# Altium PCB SkayboardAgain.PcbDoc (part 2 of 4)
Units mil, origin at the board's own origin, x right, y up, seen from the top; angles counter-clockwise.
Board outline 13972.57 x 4222.54 mil, 2 copper layers (Top Layer, Bottom Layer); 416 components, 229 nets, 1126 pads, 222 vias.
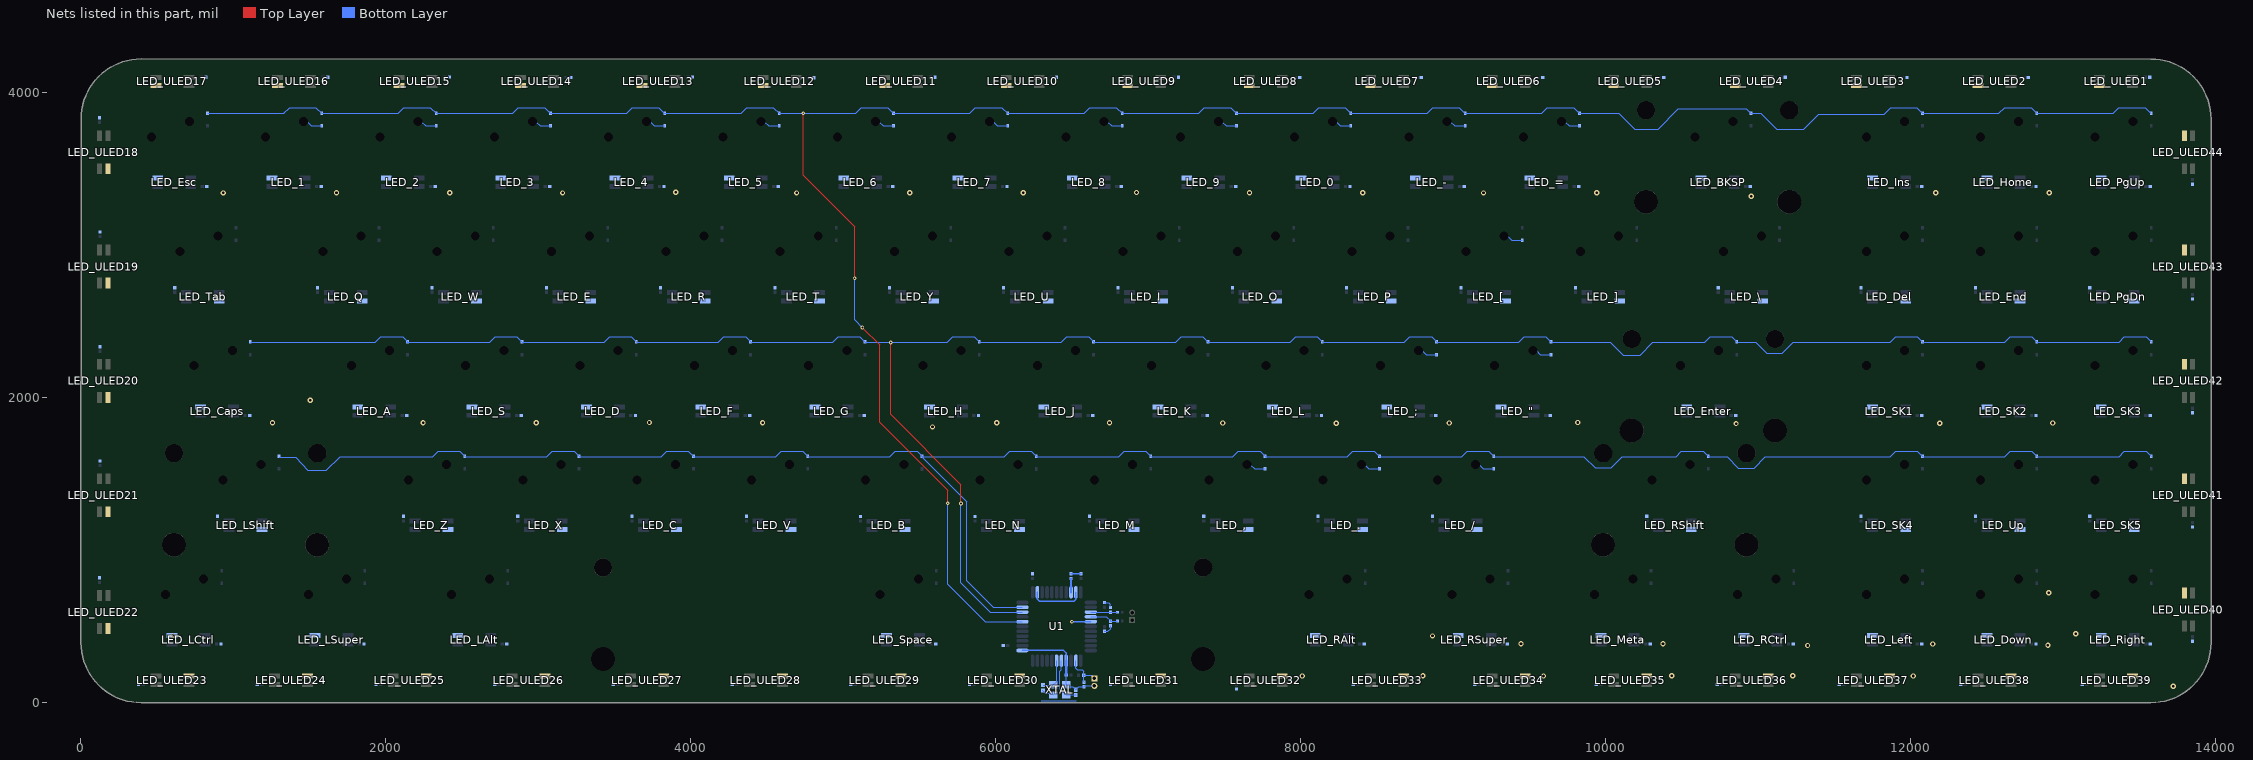
[diagram p2: the nets of this part, all layers, seen from the top]

## Components (designator, comment, footprint, x,y, rotation, side; value= is the part's Value field where it differs from the comment) (continued)
D_K "1N4148WS" DIOD-SOD323-2-A_V 7392.46,2324.95 r90 bottom (schematic designator D)
D_L "1N4148WS" DIOD-SOD323-2-A_V 8142.46,2324.95 r90 bottom (schematic designator D)
D_LAlt "1N4148WS" DIOD-SOD323-2-A_V 2798.7,824.95 r90 bottom (schematic designator D)
D_LCtrl "1N4148WS" DIOD-SOD323-2-A_V 923.69,824.95 r90 bottom (schematic designator D)
D_Left "1N4148WS" DIOD-SOD323-2-A_V 12080.02,824.95 r90 bottom (schematic designator D)
D_LShift "1N4148WS" DIOD-SOD323-2-A_V 1298.69,1574.95 r90 bottom (schematic designator D)
D_LSuper "1N4148WS" DIOD-SOD323-2-A_V 1861.2,824.95 r90 bottom (schematic designator D)
D_M "1N4148WS" DIOD-SOD323-2-A_V 7017.46,1574.95 r90 bottom (schematic designator D)
D_Meta "1N4148WS" DIOD-SOD323-2-A_V 10298.72,824.95 r90 bottom (schematic designator D)
D_N "1N4148WS" DIOD-SOD323-2-A_V 6266.68,1574.59 r90 bottom (schematic designator D)
D_O "1N4148WS" DIOD-SOD323-2-A_V 7955.02,3074.95 r90 bottom (schematic designator D)
D_P "1N4148WS" DIOD-SOD323-2-A_V 8705.02,3074.95 r90 bottom (schematic designator D)
D_PgDn "1N4148WS" DIOD-SOD323-2-A_V 13580.02,3074.95 r90 bottom (schematic designator D)
D_PgUp "1N4148WS" DIOD-SOD323-2-A_V 13580.02,3825 r90 bottom (schematic designator D)
D_Q "1N4148WS" DIOD-SOD323-2-A_V 1955,3074.95 r90 bottom (schematic designator D)
D_R "1N4148WS" DIOD-SOD323-2-A_V 4205.02,3074.95 r90 bottom (schematic designator D)
D_RAlt "1N4148WS" DIOD-SOD323-2-A_V 8423.72,824.95 r90 bottom (schematic designator D)
D_RCtrl "1N4148WS" DIOD-SOD323-2-A_V 11236.2,824.95 r90 bottom (schematic designator D)
D_Right "1N4148WS" DIOD-SOD323-2-A_V 13580.02,824.95 r90 bottom (schematic designator D)
D_RShift "1N4148WS" DIOD-SOD323-2-A_V 10673.72,1574.95 r90 bottom (schematic designator D)
D_RSuper "1N4148WS" DIOD-SOD323-2-A_V 9361.2,824.95 r90 bottom (schematic designator D)
D_S "1N4148WS" DIOD-SOD323-2-A_V 2892.45,2324.95 r90 bottom (schematic designator D)
D_SK1 "1N4148WS" DIOD-SOD323-2-A_V 12080.02,2324.95 r90 bottom (schematic designator D)
D_SK2 "1N4148WS" DIOD-SOD323-2-A_V 12830.02,2324.95 r90 bottom (schematic designator D)
D_SK3 "1N4148WS" DIOD-SOD323-2-A_V 13580.02,2324.95 r90 bottom (schematic designator D)
D_SK4 "1N4148WS" DIOD-SOD323-2-A_V 12080.02,1574.95 r90 bottom (schematic designator D)
D_SK5 "1N4148WS" DIOD-SOD323-2-A_V 13580.02,1574.95 r90 bottom (schematic designator D)
D_Space "1N4148WS" DIOD-SOD323-2-A_V 5611.2,824.95 r90 bottom (schematic designator D)
D_T "1N4148WS" DIOD-SOD323-2-A_V 4955.02,3074.95 r90 bottom (schematic designator D)
D_Tab "1N4148WS" DIOD-SOD323-2-A_V 1017.45,3074.95 r90 bottom (schematic designator D)
D_U "1N4148WS" DIOD-SOD323-2-A_V 6455.02,3074.95 r90 bottom (schematic designator D)
D_Up "1N4148WS" DIOD-SOD323-2-A_V 12830.02,1574.95 r90 bottom (schematic designator D)
D_V "1N4148WS" DIOD-SOD323-2-A_V 4767.46,1574.95 r90 bottom (schematic designator D)
D_W "1N4148WS" DIOD-SOD323-2-A_V 2705,3074.95 r90 bottom (schematic designator D)
D_X "1N4148WS" DIOD-SOD323-2-A_V 3267.45,1574.95 r90 bottom (schematic designator D)
D_Y "1N4148WS" DIOD-SOD323-2-A_V 5705.02,3074.95 r90 bottom (schematic designator D)
D_Z "1N4148WS" DIOD-SOD323-2-A_V 2517.45,1574.95 r90 bottom (schematic designator D)
Enter "2UStab" 2UStab 10642.48,2111.26 r0 top locked
LED_0 "SK6812ME" SK6812ME 8111.3,3413 r0 bottom (schematic designator LED)
LED_1 "SK6812ME" SK6812ME 1361.21,3413 r0 bottom (schematic designator LED)
LED_2 "SK6812ME" SK6812ME 2111.21,3413 r0 bottom (schematic designator LED)
LED_3 "SK6812ME" SK6812ME 2861.21,3413 r0 bottom (schematic designator LED)
LED_4 "SK6812ME" SK6812ME 3611.14,3413 r0 bottom (schematic designator LED)
LED_5 "SK6812ME" SK6812ME 4361.22,3413 r0 bottom (schematic designator LED)
LED_6 "SK6812ME" SK6812ME 5111.3,3413 r0 bottom (schematic designator LED)
LED_7 "SK6812ME" SK6812ME 5861.22,3413 r0 bottom (schematic designator LED)
LED_8 "SK6812ME" SK6812ME 6611.22,3413 r0 bottom (schematic designator LED)
LED_9 "SK6812ME" SK6812ME 7361.3,3413 r0 bottom (schematic designator LED)
"LED_\"" "SK6812ME" SK6812ME 9423.74,1912.95 r0 bottom (schematic designator LED)
LED_, "SK6812ME" SK6812ME 7548.74,1162.95 r180 bottom (schematic designator LED)
LED_- "SK6812ME" SK6812ME 8861.3,3413 r0 bottom (schematic designator LED)
LED_. "SK6812ME" SK6812ME 8298.74,1162.95 r180 bottom (schematic designator LED)
LED_/ "SK6812ME" SK6812ME 9048.74,1162.95 r180 bottom (schematic designator LED)
LED_; "SK6812ME" SK6812ME 8673.74,1912.95 r0 bottom (schematic designator LED)
LED_= "SK6812ME" SK6812ME 9611.3,3413 r0 bottom (schematic designator LED)
LED_[ "SK6812ME" SK6812ME 9236.3,2662.95 r180 bottom (schematic designator LED)
LED_\ "SK6812ME" SK6812ME 10923.74,2662.95 r180 bottom (schematic designator LED)
LED_] "SK6812ME" SK6812ME 9986.3,2662.95 r180 bottom (schematic designator LED)
LED_A "SK6812ME" SK6812ME 1923.73,1912.95 r0 bottom (schematic designator LED)
LED_B "SK6812ME" SK6812ME 5297.79,1162.59 r180 bottom (schematic designator LED)
LED_BKSP "SK6812ME" SK6812ME 10736.3,3413 r0 bottom (schematic designator LED)
LED_C "SK6812ME" SK6812ME 3798.74,1162.95 r180 bottom (schematic designator LED)
LED_Caps "SK6812ME" SK6812ME 892.48,1912.95 r0 bottom (schematic designator LED)
LED_D "SK6812ME" SK6812ME 3423.73,1912.95 r0 bottom (schematic designator LED)
LED_Del "SK6812ME" SK6812ME 11861.3,2662.95 r180 bottom (schematic designator LED)
LED_Down "SK6812ME" SK6812ME 12611.3,412.95 r0 bottom (schematic designator LED)
LED_E "SK6812ME" SK6812ME 3236.29,2662.95 r180 bottom (schematic designator LED)
LED_End "SK6812ME" SK6812ME 12611.3,2662.95 r180 bottom (schematic designator LED)
LED_Enter "SK6812ME" SK6812ME 10642.48,1912.95 r0 bottom (schematic designator LED)
LED_Esc "SK6812ME" SK6812ME 611.29,3413 r0 bottom (schematic designator LED)
LED_F "SK6812ME" SK6812ME 4173.74,1912.95 r0 bottom (schematic designator LED)
LED_G "SK6812ME" SK6812ME 4923.74,1912.95 r0 bottom (schematic designator LED)
LED_H "SK6812ME" SK6812ME 5673.74,1912.95 r0 bottom (schematic designator LED)
LED_Home "SK6812ME" SK6812ME 12611.3,3413 r0 bottom (schematic designator LED)
LED_I "SK6812ME" SK6812ME 6986.3,2662.95 r180 bottom (schematic designator LED)
LED_Ins "SK6812ME" SK6812ME 11861.3,3413 r0 bottom (schematic designator LED)
LED_J "SK6812ME" SK6812ME 6423.74,1912.95 r0 bottom (schematic designator LED)
LED_K "SK6812ME" SK6812ME 7173.74,1912.95 r0 bottom (schematic designator LED)
LED_L "SK6812ME" SK6812ME 7923.74,1912.95 r0 bottom (schematic designator LED)
LED_LAlt "SK6812ME" SK6812ME 2579.99,412.95 r0 bottom (schematic designator LED)
LED_LCtrl "SK6812ME" SK6812ME 704.98,412.95 r0 bottom (schematic designator LED)
LED_Left "SK6812ME" SK6812ME 11861.3,412.95 r0 bottom (schematic designator LED)
LED_LShift "SK6812ME" SK6812ME 1079.98,1162.95 r180 bottom (schematic designator LED)
LED_LSuper "SK6812ME" SK6812ME 1642.49,412.95 r0 bottom (schematic designator LED)
LED_M "SK6812ME" SK6812ME 6798.74,1162.95 r180 bottom (schematic designator LED)
LED_Meta "SK6812ME" SK6812ME 10080,412.95 r0 bottom (schematic designator LED)
LED_N "SK6812ME" SK6812ME 6047.96,1162.59 r180 bottom (schematic designator LED)
LED_O "SK6812ME" SK6812ME 7736.3,2662.95 r180 bottom (schematic designator LED)
LED_P "SK6812ME" SK6812ME 8486.3,2662.95 r180 bottom (schematic designator LED)
LED_PgDn "SK6812ME" SK6812ME 13361.3,2662.95 r180 bottom (schematic designator LED)
LED_PgUp "SK6812ME" SK6812ME 13361.3,3413 r0 bottom (schematic designator LED)
LED_Q "SK6812ME" SK6812ME 1736.29,2662.95 r180 bottom (schematic designator LED)
LED_R "SK6812ME" SK6812ME 3986.3,2662.95 r180 bottom (schematic designator LED)
LED_RAlt "SK6812ME" SK6812ME 8205,412.95 r0 bottom (schematic designator LED)
LED_RCtrl "SK6812ME" SK6812ME 11017.48,412.95 r0 bottom (schematic designator LED)
LED_Right "SK6812ME" SK6812ME 13361.3,412.95 r0 bottom (schematic designator LED)
LED_RShift "SK6812ME" SK6812ME 10455,1162.95 r180 bottom (schematic designator LED)
LED_RSuper "SK6812ME" SK6812ME 9142.48,412.95 r0 bottom (schematic designator LED)
LED_S "SK6812ME" SK6812ME 2673.73,1912.95 r0 bottom (schematic designator LED)
LED_SK1 "SK6812ME" SK6812ME 11861.3,1912.95 r0 bottom (schematic designator LED)
LED_SK2 "SK6812ME" SK6812ME 12611.3,1912.95 r0 bottom (schematic designator LED)
LED_SK3 "SK6812ME" SK6812ME 13361.3,1912.95 r0 bottom (schematic designator LED)
LED_SK4 "SK6812ME" SK6812ME 11861.3,1162.95 r180 bottom (schematic designator LED)
LED_SK5 "SK6812ME" SK6812ME 13361.3,1162.95 r180 bottom (schematic designator LED)
LED_Space "SK6812ME" SK6812ME 5392.48,412.95 r0 bottom (schematic designator LED)
LED_T "SK6812ME" SK6812ME 4736.3,2662.95 r180 bottom (schematic designator LED)
LED_Tab "SK6812ME" SK6812ME 798.73,2662.95 r180 bottom (schematic designator LED)
LED_U "SK6812ME" SK6812ME 6236.3,2662.95 r180 bottom (schematic designator LED)
LED_ULED1 "SK6812ME" SK6812ME 13350,4075 r0 top locked (schematic designator LED)
LED_ULED2 "SK6812ME" SK6812ME 12553.12,4075 r0 top locked (schematic designator LED)
LED_ULED3 "SK6812ME" SK6812ME 11756.25,4075 r0 top locked (schematic designator LED)
LED_ULED4 "SK6812ME" SK6812ME 10959.38,4075 r0 top locked (schematic designator LED)
LED_ULED5 "SK6812ME" SK6812ME 10162.5,4075 r0 top locked (schematic designator LED)
LED_ULED6 "SK6812ME" SK6812ME 9365.62,4075 r0 top locked (schematic designator LED)
LED_ULED7 "SK6812ME" SK6812ME 8568.75,4075 r0 top locked (schematic designator LED)
LED_ULED8 "SK6812ME" SK6812ME 7771.88,4075 r0 top locked (schematic designator LED)
LED_ULED9 "SK6812ME" SK6812ME 6975,4075 r0 top locked (schematic designator LED)
LED_ULED10 "SK6812ME" SK6812ME 6178.12,4075 r0 top locked (schematic designator LED)
LED_ULED11 "SK6812ME" SK6812ME 5381.25,4075 r0 top locked (schematic designator LED)
LED_ULED12 "SK6812ME" SK6812ME 4584.38,4075 r0 top locked (schematic designator LED)
LED_ULED13 "SK6812ME" SK6812ME 3787.5,4075 r0 top locked (schematic designator LED)
LED_ULED14 "SK6812ME" SK6812ME 2990.62,4075 r0 top locked (schematic designator LED)
LED_ULED15 "SK6812ME" SK6812ME 2193.75,4075 r0 top locked (schematic designator LED)
LED_ULED16 "SK6812ME" SK6812ME 1396.88,4075 r0 top locked (schematic designator LED)
LED_ULED17 "SK6812ME" SK6812ME 600,4075 r0 top locked (schematic designator LED)
LED_ULED18 "SK6812ME" SK6812ME 150,3611.32 r90 top locked (schematic designator LED)
LED_ULED19 "SK6812ME" SK6812ME 150,2861.26 r90 top locked (schematic designator LED)
LED_ULED20 "SK6812ME" SK6812ME 150,2111.26 r90 top locked (schematic designator LED)
LED_ULED21 "SK6812ME" SK6812ME 150,1361.26 r90 top locked (schematic designator LED)
LED_ULED22 "SK6812ME" SK6812ME 150,594 r90 top locked (schematic designator LED)
LED_ULED23 "SK6812ME" SK6812ME 600,147 r180 top locked (schematic designator LED)
LED_ULED24 "SK6812ME" SK6812ME 1378.57,147 r180 top locked (schematic designator LED)
LED_ULED25 "SK6812ME" SK6812ME 2157.14,147 r180 top locked (schematic designator LED)
LED_ULED26 "SK6812ME" SK6812ME 2935.71,147 r180 top locked (schematic designator LED)
LED_ULED27 "SK6812ME" SK6812ME 3714.29,147 r180 top locked (schematic designator LED)
LED_ULED28 "SK6812ME" SK6812ME 4492.86,147 r180 top locked (schematic designator LED)
LED_ULED29 "SK6812ME" SK6812ME 5271.43,147 r180 top locked (schematic designator LED)
LED_ULED30 "SK6812ME" SK6812ME 6050,147 r180 top locked (schematic designator LED)
LED_ULED31 "SK6812ME" SK6812ME 6975,147 r180 top locked (schematic designator LED)
LED_ULED32 "SK6812ME" SK6812ME 7771.88,147 r180 top locked (schematic designator LED)
LED_ULED33 "SK6812ME" SK6812ME 8568.75,147 r180 top locked (schematic designator LED)
LED_ULED34 "SK6812ME" SK6812ME 9365.62,147 r180 top locked (schematic designator LED)
LED_ULED35 "SK6812ME" SK6812ME 10162.5,147 r180 top locked (schematic designator LED)
LED_ULED36 "SK6812ME" SK6812ME 10959.38,147 r180 top locked (schematic designator LED)
LED_ULED37 "SK6812ME" SK6812ME 11756.25,147 r180 top locked (schematic designator LED)
LED_ULED38 "SK6812ME" SK6812ME 12553.12,147 r180 top locked (schematic designator LED)
LED_ULED39 "SK6812ME" SK6812ME 13350,147 r180 top locked (schematic designator LED)
LED_ULED40 "SK6812ME" SK6812ME 13825,611.26 r270 top locked (schematic designator LED)
LED_ULED41 "SK6812ME" SK6812ME 13825,1361.26 r270 top locked (schematic designator LED)
LED_ULED42 "SK6812ME" SK6812ME 13825,2111.26 r270 top locked (schematic designator LED)
LED_ULED43 "SK6812ME" SK6812ME 13825,2861.26 r270 top locked (schematic designator LED)
LED_ULED44 "SK6812ME" SK6812ME 13825,3611.32 r270 top locked (schematic designator LED)
LED_Up "SK6812ME" SK6812ME 12611.3,1162.95 r180 bottom (schematic designator LED)
LED_V "SK6812ME" SK6812ME 4548.74,1162.95 r180 bottom (schematic designator LED)
LED_W "SK6812ME" SK6812ME 2486.29,2662.95 r180 bottom (schematic designator LED)
LED_X "SK6812ME" SK6812ME 3048.73,1162.95 r180 bottom (schematic designator LED)
LED_Y "SK6812ME" SK6812ME 5486.3,2662.95 r180 bottom (schematic designator LED)
LED_Z "SK6812ME" SK6812ME 2298.73,1162.95 r180 bottom (schematic designator LED)
LShift "2UStab" 2UStab 1079.98,1361.26 r0 top locked
MX_0 "" MX 8111.3,3611.31 r0 top (schematic designator MX)
MX_1 "" MX 1361.21,3611.31 r0 top (schematic designator MX)
MX_2 "" MX 2111.21,3611.31 r0 top (schematic designator MX)
MX_3 "" MX 2861.21,3611.31 r0 top (schematic designator MX)
MX_4 "" MX 3611.14,3611.31 r0 top (schematic designator MX)
MX_5 "" MX 4361.22,3611.31 r0 top (schematic designator MX)
MX_6 "" MX 5111.3,3611.31 r0 top (schematic designator MX)
MX_7 "" MX 5861.22,3611.31 r0 top (schematic designator MX)
MX_8 "" MX 6611.22,3611.31 r0 top (schematic designator MX)
MX_9 "" MX 7361.3,3611.31 r0 top (schematic designator MX)
"MX_\"" "" MX 9423.74,2111.26 r0 top (schematic designator MX)
MX_, "" MX 7548.74,1361.26 r0 top (schematic designator MX)
MX_- "" MX 8861.3,3611.31 r0 top (schematic designator MX)
MX_. "" MX 8298.74,1361.26 r0 top (schematic designator MX)
MX_/ "" MX 9048.74,1361.26 r0 top (schematic designator MX)
MX_; "" MX 8673.74,2111.26 r0 top (schematic designator MX)
MX_= "" MX 9611.3,3611.31 r0 top (schematic designator MX)
MX_[ "" MX 9236.3,2861.26 r0 top (schematic designator MX)
MX_\ "" MX 10923.74,2861.26 r0 top (schematic designator MX)
MX_] "" MX 9986.3,2861.26 r0 top (schematic designator MX)
MX_A "" MX 1923.73,2111.26 r0 top (schematic designator MX)
MX_B "" MX 5297.79,1360.91 r0 top (schematic designator MX)
MX_BKSP "" MX 10736.3,3611.31 r0 top (schematic designator MX)
MX_C "" MX 3798.74,1361.26 r0 top (schematic designator MX)
MX_Caps "" MX 892.48,2111.26 r0 top (schematic designator MX)
MX_D "" MX 3423.73,2111.26 r0 top (schematic designator MX)
MX_Del "" MX 11861.3,2861.26 r0 top (schematic designator MX)
MX_Down "" MX 12611.3,611.26 r0 top (schematic designator MX)
MX_E "" MX 3236.29,2861.26 r0 top (schematic designator MX)
MX_End "" MX 12611.3,2861.26 r0 top (schematic designator MX)
MX_Enter "" MX 10642.48,2111.26 r0 top (schematic designator MX)
MX_Esc "" MX 611.29,3611.31 r0 top (schematic designator MX)
MX_F "" MX 4173.74,2111.26 r0 top (schematic designator MX)
MX_G "" MX 4923.74,2111.26 r0 top (schematic designator MX)
MX_H "" MX 5673.74,2111.26 r0 top (schematic designator MX)
MX_Home "" MX 12611.3,3611.31 r0 top (schematic designator MX)
MX_I "" MX 6986.3,2861.26 r0 top (schematic designator MX)
MX_Ins "" MX 11861.3,3611.31 r0 top (schematic designator MX)
MX_J "" MX 6423.74,2111.26 r0 top (schematic designator MX)
MX_K "" MX 7173.74,2111.26 r0 top (schematic designator MX)
MX_L "" MX 7923.74,2111.26 r0 top (schematic designator MX)
MX_LAlt "" MX 2579.99,611.26 r0 top (schematic designator MX)
MX_LCtrl "" MX 704.98,611.26 r0 top (schematic designator MX)
MX_Left "" MX 11861.3,611.26 r0 top (schematic designator MX)
MX_LShift "" MX 1079.98,1361.26 r0 top (schematic designator MX)
MX_LSuper "" MX 1642.49,611.26 r0 top (schematic designator MX)
MX_M "" MX 6798.74,1361.26 r0 top (schematic designator MX)
MX_Meta "" MX 10080,611.26 r0 top (schematic designator MX)
MX_N "" MX 6047.96,1360.91 r0 top (schematic designator MX)
MX_O "" MX 7736.3,2861.26 r0 top (schematic designator MX)
MX_P "" MX 8486.3,2861.26 r0 top (schematic designator MX)
MX_PgDn "" MX 13361.3,2861.26 r0 top (schematic designator MX)
MX_PgUp "" MX 13361.3,3611.31 r0 top (schematic designator MX)
MX_Q "" MX 1736.29,2861.26 r0 top (schematic designator MX)
MX_R "" MX 3986.3,2861.26 r0 top (schematic designator MX)
MX_RAlt "" MX 8205,611.26 r0 top (schematic designator MX)
MX_RCtrl "" MX 11017.48,611.26 r0 top (schematic designator MX)
MX_Right "" MX 13361.3,611.26 r0 top (schematic designator MX)
MX_RShift "" MX 10455,1361.26 r0 top (schematic designator MX)
MX_RSuper "" MX 9142.48,611.26 r0 top (schematic designator MX)
MX_S "" MX 2673.73,2111.26 r0 top (schematic designator MX)
MX_SK1 "" MX 11861.3,2111.26 r0 top (schematic designator MX)
MX_SK2 "" MX 12611.3,2111.26 r0 top (schematic designator MX)
MX_SK3 "" MX 13361.3,2111.26 r0 top (schematic designator MX)
MX_SK4 "" MX 11861.3,1361.26 r0 top (schematic designator MX)
MX_SK5 "" MX 13361.3,1361.26 r0 top (schematic designator MX)
MX_Space "" MX 5392.48,611.26 r0 top (schematic designator MX)
MX_T "" MX 4736.3,2861.26 r0 top (schematic designator MX)
MX_Tab "" MX 798.73,2861.26 r0 top (schematic designator MX)
MX_U "" MX 6236.3,2861.26 r0 top (schematic designator MX)
MX_Up "" MX 12611.3,1361.26 r0 top (schematic designator MX)
MX_V "" MX 4548.74,1361.26 r0 top (schematic designator MX)
MX_W "" MX 2486.29,2861.26 r0 top (schematic designator MX)
MX_X "" MX 3048.73,1361.26 r0 top (schematic designator MX)
MX_Y "" MX 5486.3,2861.26 r0 top (schematic designator MX)
MX_Z "" MX 2298.73,1361.26 r0 top (schematic designator MX)
R1 "22R" RESC1005X40X25LL05T05 6815,594 r0 bottom
R2 "22R" RESC1005X40X25LL05T05 6815,536 r0 bottom
R3 "10K" RESC1005X40X25NL05T05 6561,180 r0 bottom
RShift "2UStab" 2UStab 10455,1361.26 r0 top locked
RST1 "MHDR1X2" MHDR1X2 6648,160 r270 bottom
Space "6.25UStab" 6.25UStab 5392.48,611.26 r0 top locked
U1 "ATmega32U4-AU" 44ML_M 6400,500 r180 bottom locked
USB1 "MHDR1X2" MHDR1X2 6896,541 r90 bottom
XTAL "16MCR" XTAL16M 6420,84 r0 bottom

## Footprints (in the part's own frame and the unit in brackets; to place one, negate y for a bottom-side part, rotate by r counter-clockwise, add the part's x,y. Pads: shape width x height; smd on the part's side, far side on the other; paste and mask are expansions set on the pad)
2UStab [mil] "A 2U stabilizer"
  round 157 hole 157 unplated: ""(-470,-325) ""(470,-325)
  round 120 hole 120 unplated: ""(-470,275) ""(470,275)
6.25UStab [mil] "A 6.25U stabilizer"
  round 157 hole 157 unplated: ""(-1968.75,-325) ""(1968.75,-325)
  round 120 hole 120 unplated: ""(-1968.75,275) ""(1968.75,275)
44ML_M [mm] "Thin QFP, 44-Leads, Body 10x10mm, Pitch 0.8mm, IPC Low Density"
  oval 2.05x0.6 smd: 1(-5.7,4) 2(-5.7,3.2) 3(-5.7,2.4) 4(-5.7,1.6) 5(-5.7,0.8) 6(-5.7,0) 7(-5.7,-0.8) 8(-5.7,-1.6) 9(-5.7,-2.4) 10(-5.7,-3.2) 11(-5.7,-4) 23(5.7,-4) 24(5.7,-3.2) 25(5.7,-2.4) 26(5.7,-1.6) 27(5.7,-0.8) 28(5.7,0) 29(5.7,0.8) 30(5.7,1.6) 31(5.7,2.4) 32(5.7,3.2) 33(5.7,4)
  oval 0.6x2.05 smd: 12(-4,-5.7) 13(-3.2,-5.7) 14(-2.4,-5.7) 15(-1.6,-5.7) 16(-0.8,-5.7) 17(0,-5.7) 18(0.8,-5.7) 19(1.6,-5.7) 20(2.4,-5.7) 21(3.2,-5.7) 22(4,-5.7) 34(4,5.7) 35(3.2,5.7) 36(2.4,5.7) 37(1.6,5.7) 38(0.8,5.7) 39(0,5.7) 40(-0.8,5.7) 41(-1.6,5.7) 42(-2.4,5.7) 43(-3.2,5.7) 44(-4,5.7)
  silkscreen extent -5.82,-4.25 4.25,4.97, body extent -5,-5 5,5, height 1.2
CAPC1005X55X25LL05T10 [mm] "Chip Capacitor, 2-Leads, Body 1.00x0.50mm, IPC High Density"
  rect 0.56x0.52 smd: 1(-0.39,0) 2(0.39,0)
  body extent -0.53,-0.28 0.53,0.28, height 0.55
CAPC1005X55X30LL05T10 [mm] "Chip Capacitor, 2-Leads, Body 1.00x0.50mm, IPC High Density"
  rect 0.56x0.52 smd: 1(-0.38,0) 2(0.38,0)
  body extent -0.53,-0.28 0.53,0.28, height 0.55
CAPC1005X56X25NL10T15 [mm] "Chip Capacitor, 2-Leads, Body 1.00x0.50mm, IPC Medium Density"
  rect 0.68x0.64 smd: 1(-0.44,0) 2(0.44,0)
  body extent -0.55,-0.3 0.55,0.3, height 0.56
DIOD-SOD323-2-A_V [mm] "SOD-323, 2-Leads, Body 1.7x1.3mm"
  rect 0.59x0.45 smd: 1(-1.055,0) 2(1.055,0)
  silkscreen extent -0.85,-0.65 1.85,0.65, body extent -0.85,-0.65 0.85,0.65, height 1.2
MHDR1X2 [mm] "Connector; Header; 2 Position"
  rect 1x1 hole 0.6: 1(0,0)
  round 1 hole 0.6: 2(1.27,0)
  silkscreen extent -0.9,-0.9 2.17,0.9
MX [mil] "Cherry MX Footprint"
  round 0 / inner round 90 / far side round 90 hole 59: 1(-150,100) 2(100,200)
  Top Layer keep-out region: -307.09,-307.09 307.09,-307.09 307.09,307.09 -307.09,307.09
  Keep-Out Layer board cut-out: 0,78.5 30.04,72.52 55.51,55.51 72.52,30.04 78.5,0 78.5,0 72.52,-30.04 55.51,-55.51 30.04,-72.52 0,-78.5 0,-78.5 -30.04,-72.52 -55.51,-55.51 -72.52,-30.04 -78.5,0 -78.5,0 -72.52,30.04 -55.51,55.51 -30.04,72.52 0,78.5
  Keep-Out Layer board cut-out: -200,33.5 -187.18,30.95 -176.31,23.69 -169.05,12.82 -166.5,0 -166.5,0 -169.05,-12.82 -176.31,-23.69 -187.18,-30.95 -200,-33.5 -200,-33.5 -212.82,-30.95 -223.69,-23.69 -230.95,-12.82 -233.5,0 -233.5,0 -230.95,12.82 -223.69,23.69 -212.82,30.95 -200,33.5
  Keep-Out Layer board cut-out: 200,33.5 212.82,30.95 223.69,23.69 230.95,12.82 233.5,0 233.5,0 230.95,-12.82 223.69,-23.69 212.82,-30.95 200,-33.5 200,-33.5 187.18,-30.95 176.31,-23.69 169.05,-12.82 166.5,0 166.5,0 169.05,12.82 176.31,23.69 187.18,30.95 200,33.5
  silkscreen extent -307,-307 307,307
RESC1005X40X25LL05T05 [mm] "Chip Resistor, 2-Leads, Body 1.00x0.50mm, IPC High Density"
  rect 0.45x0.45 smd: 1(-0.4,0) 2(0.4,0)
  body extent -0.53,-0.27 0.53,0.28, height 0.4
RESC1005X40X25NL05T05 [mm] "Chip Resistor, 2-Leads, Body 1.00x0.50mm, IPC Medium Density"
  rect 0.55x0.55 smd: 1(-0.45,0) 2(0.45,0)
  body extent -0.53,-0.27 0.53,0.28, height 0.4
SK6812ME [mm] "SK6812 Mini-E footprint"
  rect 1.8x0.82 smd: 1(2.75,0.7) 2(2.75,-0.7) 3(-2.75,-0.7) 4(-2.75,0.7)
  Top Layer keep-out region: -1.75,1.45 1.75,1.45 1.75,-1.45 -1.75,-1.45
  silkscreen extent -4,-1.2 -4,-0.2, body extent -3.09,-1.4 3.1,1.4, height 0.13
XTAL16M [mm] "A 16Mhz crystal resonator footprint, JLCPCB #C13738"
  rect 1.4x1.2 smd: 1(-1.1,-0.85) 2(1.1,-0.85) 3(1.1,0.85) 4(-1.1,0.85)
  silkscreen extent -2.12,-1.78 -0.34,-0.22

## Part data
BKSP Enter LShift RShift: "An internally padded MX-style 2U stabilizer"
C2 C7 C8 C9 C10 C11 C12 C13 C_0 C_1 C_2 C_3 C_4 C_5 C_6 C_7 C_8 C_9 "C_\"" C_, C_- C_. C_/ C_; C_= C_[ C_\ C_] C_A C_B C_BKSP C_C C_Caps C_D C_Del C_Down C_E C_End C_Enter C_Esc C_F C_G C_H C_Home C_I C_Ins C_J C_K C_L C_LAlt C_LCtrl C_Left C_LShift C_LSuper C_M C_Meta C_N C_O C_P C_PgDn C_PgUp C_Q C_R C_RAlt C_RCtrl C_Right C_RShift C_RSuper C_S C_SK1 C_SK2 C_SK3 C_SK4 C_SK5 C_Space C_T C_Tab C_U C_ULED1 C_ULED2 C_ULED3 C_ULED4 C_ULED5 C_ULED6 C_ULED7 C_ULED8 C_ULED9 C_ULED10 C_ULED11 C_ULED12 C_ULED13 C_ULED14 C_ULED15 C_ULED16 C_ULED17 C_ULED18 C_ULED19 C_ULED20 C_ULED21 C_ULED22 C_ULED23 C_ULED24 C_ULED25 C_ULED26 C_ULED27 C_ULED28 C_ULED29 C_ULED30 C_ULED31 C_ULED32 C_ULED33 C_ULED34 C_ULED35 C_ULED36 C_ULED37 C_ULED38 C_ULED39 C_ULED40 C_ULED41 C_ULED42 C_ULED43 C_ULED44 C_Up C_V C_W C_X C_Y C_Z: library part CMP-0001-00074-2, Manufacturer=Kemet, Part Number=C0402C104K4RACTU
C3 C4: library part CMP-2008-04368-1, Manufacturer=Murata, Part Number=GRM1555C1H470JA01D
C5 C6: library part CMP-2008-02613-1, Manufacturer="AVX Interconnect / Elco", Part Number=04025A220JAT2A
D_0 D_1 D_2 D_3 D_4 D_5 D_6 D_7 D_8 D_9 "D_\"" D_, D_- D_. D_/ D_; D_= D_[ D_\ D_] D_A D_B D_BKSP D_C D_Caps D_D D_Del D_Down D_E D_End D_Enter D_Esc D_F D_G D_H D_Home D_I D_Ins D_J D_K D_L D_LAlt D_LCtrl D_Left D_LShift D_LSuper D_M D_Meta D_N D_O D_P D_PgDn D_PgUp D_Q D_R D_RAlt D_RCtrl D_Right D_RShift D_RSuper D_S D_SK1 D_SK2 D_SK3 D_SK4 D_SK5 D_Space D_T D_Tab D_U D_Up D_V D_W D_X D_Y D_Z: library part CMP-1667-00004-1, "Fast Switching Diode, 75 V, 0.3 A, -65 to 150 degC, 2-Pin SOD323, RoHS, Tape and Reel", ComponentLink1Description="Manufacturer URL", ComponentLink1URL=http://www.diodes.com/, ComponentLink2Description=Datasheet, ComponentLink2URL=http://www.diodes.com/datasheets/ds30097.pdf, DatasheetVersion="Rev. 25-2, 03/2016", PackageDescription="2-Pin Small Outline Diode, Body 1.7 x 1.3 mm", PackageReference=SOD323-2
LED_0 LED_1 LED_2 LED_3 LED_4 LED_5 LED_6 LED_7 LED_8 LED_9 "LED_\"" LED_, LED_- LED_. LED_/ LED_; LED_= LED_[ LED_\ LED_] LED_A LED_B LED_BKSP LED_C LED_Caps LED_D LED_Del LED_Down LED_E LED_End LED_Enter LED_Esc LED_F LED_G LED_H LED_Home LED_I LED_Ins LED_J LED_K LED_L LED_LAlt LED_LCtrl LED_Left LED_LShift LED_LSuper LED_M LED_Meta LED_N LED_O LED_P LED_PgDn LED_PgUp LED_Q LED_R LED_RAlt LED_RCtrl LED_Right LED_RShift LED_RSuper LED_S LED_SK1 LED_SK2 LED_SK3 LED_SK4 LED_SK5 LED_Space LED_T LED_Tab LED_U LED_ULED1 LED_ULED2 LED_ULED3 LED_ULED4 LED_ULED5 LED_ULED6 LED_ULED7 LED_ULED8 LED_ULED9 LED_ULED10 LED_ULED11 LED_ULED12 LED_ULED13 LED_ULED14 LED_ULED15 LED_ULED16 LED_ULED17 LED_ULED18 LED_ULED19 LED_ULED20 LED_ULED21 LED_ULED22 LED_ULED23 LED_ULED24 LED_ULED25 LED_ULED26 LED_ULED27 LED_ULED28 LED_ULED29 LED_ULED30 LED_ULED31 LED_ULED32 LED_ULED33 LED_ULED34 LED_ULED35 LED_ULED36 LED_ULED37 LED_ULED38 LED_ULED39 LED_ULED40 LED_ULED41 LED_ULED42 LED_ULED43 LED_ULED44 LED_Up LED_V LED_W LED_X LED_Y LED_Z: library part SK6812, "Individually Adressable SK6812 Mini-E 3528 LED"
MX_0 MX_1 MX_2 MX_3 MX_4 MX_5 MX_6 MX_7 MX_8 MX_9 "MX_\"" MX_, MX_- MX_. MX_/ MX_; MX_= MX_[ MX_\ MX_] MX_A MX_B MX_BKSP MX_C MX_Caps MX_D MX_Del MX_Down MX_E MX_End MX_Enter MX_Esc MX_F MX_G MX_H MX_Home MX_I MX_Ins MX_J MX_K MX_L MX_LAlt MX_LCtrl MX_Left MX_LShift MX_LSuper MX_M MX_Meta MX_N MX_O MX_P MX_PgDn MX_PgUp MX_Q MX_R MX_RAlt MX_RCtrl MX_Right MX_RShift MX_RSuper MX_S MX_SK1 MX_SK2 MX_SK3 MX_SK4 MX_SK5 MX_Space MX_T MX_Tab MX_U MX_Up MX_V MX_W MX_X MX_Y MX_Z: library part MX, "Cherry MX Footprint"
R1 R2: library part CMP-2002-08382-1, "22", Manufacturer="Vishay Dale", Part Number=CRCW040222R0FKED
R3: library part CMP-2002-01183-1, Manufacturer=Panasonic, Part Number=ERT-J0ER103J
RST1 USB1: "Header, 2-Pin", LatestRevisionDate=17-Jul-2002, LatestRevisionNote="Re-released for DXP Platform.", Publisher="Altium Limited"
Space: "An internally padded MX-style 6.25U stabilizer"
U1: library part CMP-0095-00285-2, ComponentLink1Description="Manufacturer URL", ComponentLink1URL=http://www.atmel.com/, ComponentLink2Description="ATmega16U4/32U4 Datasheet", ComponentLink2URL=http://www.atmel.com/dyn/resources/prod_documents/doc7766.pdf, ComponentLink3Description="ATmega16U4 ATmega32U4 Summary", ComponentLink3URL=http://www.atmel.com/dyn/resources/prod_documents/7766S.pdf, DatasheetVersion="revF, Nov-2010", PackageDescription="44-Pin Plastic Thin Quad Flat Pack, 10 x 10 x 1.0 mm Body, 0.8 mm Pitch (TQFP)", PackageReference=44ML, PackageVersion="rev.G, Jul-2007", RevisionNote="DatasheetVersion updated. URLs added."
XTAL: "16Mhz crystal resonator, JLCPCB #C13738"

## Via types
v1: diameter 35, hole 17, Top Layer to Bottom Layer, 135 vias
v2: diameter 24, hole 12, Top Layer to Bottom Layer, 86 vias
v3: diameter 30, hole 15, Top Layer to Bottom Layer, 1 vias

## Nets (pads, with @x,y where several pads share a name; then routed paths per layer and width w, separated by ;. In a path a pad name is that pad's centre, name@x,y a point inside that pad or via, vN(x,y) a via of type N, cw(c..) or ccw(c..) an arc to the next point about the centre after c; other vN are vias at no path point)
GND: "C_\".2" "LED_\".3" C2.2 C3.2 C4.1 C5.1 C6.1 C7.1 C8.1 C9.1 C10.1 C11.1 C12.1 C13.1 C_0.2 C_1.2 C_2.2 C_3.2 C_4.2 C_5.2 C_6.2 C_7.2 C_8.2 C_9.2 C_,.2 C_-.2 C_..2 C_/.2 C_;.2 C_=.2 C_[.2 C_\.2 C_].2 C_A.2 C_B.2 C_BKSP.2 C_C.2 C_Caps.2 C_D.2 C_Del.2 C_Down.2 C_E.2 C_End.2 C_Enter.2 C_Esc.2 C_F.2 C_G.2 C_H.2 C_Home.2 C_I.2 C_Ins.2 C_J.2 C_K.2 C_L.2 C_LAlt.2 C_LCtrl.2 C_Left.2 C_LShift.2 C_LSuper.2 C_M.2 C_Meta.2 C_N.2 C_O.2 C_P.2 C_PgDn.2 C_PgUp.2 C_Q.2 C_R.2 C_RAlt.2 C_RCtrl.2 C_Right.2 C_RShift.2 C_RSuper.2 C_S.2 C_SK1.2 C_SK2.2 C_SK3.2 C_SK4.2 C_SK5.2 C_Space.2 C_T.2 C_Tab.2 C_U.2 C_ULED1.2 C_ULED2.2 C_ULED3.2 C_ULED4.2 C_ULED5.2 C_ULED6.2 C_ULED7.2 C_ULED8.2 C_ULED9.2 C_ULED10.2 C_ULED11.2 C_ULED12.2 C_ULED13.2 C_ULED14.2 C_ULED15.2 C_ULED16.2 C_ULED17.2 C_ULED18.2 C_ULED19.2 C_ULED20.2 C_ULED21.2 C_ULED22.2 C_ULED23.2 C_ULED24.2 C_ULED25.2 C_ULED26.2 C_ULED27.2 C_ULED28.2 C_ULED29.2 C_ULED30.2 C_ULED31.2 C_ULED32.2 C_ULED33.2 C_ULED34.2 C_ULED35.2 C_ULED36.2 C_ULED37.2 C_ULED38.2 C_ULED39.2 C_ULED40.2 C_ULED41.2 C_ULED42.2 C_ULED43.2 C_ULED44.2 C_Up.2 C_V.2 C_W.2 C_X.2 C_Y.2 C_Z.2 LED_0.3 LED_1.3 LED_2.3 LED_3.3 LED_4.3 LED_5.3 LED_6.3 LED_7.3 LED_8.3 LED_9.3 LED_,.3 LED_-.3 LED_..3 LED_/.3 LED_;.3 LED_=.3 LED_[.3 LED_\.3 LED_].3 LED_A.3 LED_B.3 LED_BKSP.3 LED_C.3 LED_Caps.3 LED_D.3 LED_Del.3 LED_Down.3 LED_E.3 LED_End.3 LED_Enter.3 LED_Esc.3 LED_F.3 LED_G.3 LED_H.3 LED_Home.3 LED_I.3 LED_Ins.3 LED_J.3 LED_K.3 LED_L.3 LED_LAlt.3 LED_LCtrl.3 LED_Left.3 LED_LShift.3 LED_LSuper.3 LED_M.3 LED_Meta.3 LED_N.3 LED_O.3 LED_P.3 LED_PgDn.3 LED_PgUp.3 LED_Q.3 LED_R.3 LED_RAlt.3 LED_RCtrl.3 LED_Right.3 LED_RShift.3 LED_RSuper.3 LED_S.3 LED_SK1.3 LED_SK2.3 LED_SK3.3 LED_SK4.3 LED_SK5.3 LED_Space.3 LED_T.3 LED_Tab.3 LED_U.3 LED_ULED1.3 LED_ULED2.3 LED_ULED3.3 LED_ULED4.3 LED_ULED5.3 LED_ULED6.3 LED_ULED7.3 LED_ULED8.3 LED_ULED9.3 LED_ULED10.3 LED_ULED11.3 LED_ULED12.3 LED_ULED13.3 LED_ULED14.3 LED_ULED15.3 LED_ULED16.3 LED_ULED17.3 LED_ULED18.3 LED_ULED19.3 LED_ULED20.3 LED_ULED21.3 LED_ULED22.3 LED_ULED23.3 LED_ULED24.3 LED_ULED25.3 LED_ULED26.3 LED_ULED27.3 LED_ULED28.3 LED_ULED29.3 LED_ULED30.3 LED_ULED31.3 LED_ULED32.3 LED_ULED33.3 LED_ULED34.3 LED_ULED35.3 LED_ULED36.3 LED_ULED37.3 LED_ULED38.3 LED_ULED39.3 LED_ULED40.3 LED_ULED41.3 LED_ULED42.3 LED_ULED43.3 LED_ULED44.3 LED_Up.3 LED_V.3 LED_W.3 LED_X.3 LED_Y.3 LED_Z.3 RST1.2 U1.5 U1.15 U1.23 U1.35 U1.43 XTAL.2 XTAL.4 | length 1697.3
  Bottom Layer w5: 6300,13.8 6530,13.8 ; C5.1@6310,80.68 6310,79.89 6328.9,60.99 6366.24,60.99 XTAL.4@6376.69,50.54 ; C12.1@6462.99,183.05 C12.1@6464.04,182 6464.04,118.2 XTAL.2@6463.31,117.46 6476.05,104.72 6506.71,104.72 6526,85.43 6545.61,105.04 C13.1@6580,105.04 6584.96,110 RST1.2@6648,110 ; C11.1@6713,469.04 6714.04,468 6736.8,468 6754,485.2 C4.1@6754,504.65 ; C10.1@6713,656.96 6741.28,656.96 6753.09,645.15 C3.2@6753.09,627.83
  Bottom Layer w10: U1.23@6175.59,342.52 6445.68,342.52 6462.99,325.21 U1.15@6462.99,275.59 ; U1.35@6274.02,724.41 6274.1,724.33 6274.1,678.03 6287.15,664.99 6513.4,664.99 6525.98,677.57 U1.43@6525.98,724.41 ; C2.2@6494,844.96 C8.1@6560,844.96 ; v2(6500,531.5) U1.5@6624.41,531.5
  Bottom Layer w15: C12.1@6462.99,183.05 U1.15@6462.99,275.59
  other v1: 13726,107 8012,175 9594,175 12020,175 10436,176 11230,176 8803,177 11326,375 12903,377 12147,385 9446,386 10378,386 8866,438 13086,452 12908,721 5586,1809 10857,1831 8235,1834 12193,1834 7490,1835 8975,1835 12934,1835 2244,1836 6006.3,1835.49 6746.99,1835.49 1256,1837 2987,1837 4471,1837 3729,1838 9819,1838 1504,1985 10956,3322 933,3344 3159,3344 4694,3344 9200,3344 1676,3345 2418,3345 5437,3345 6180,3345 7665,3345 12168,3345 12911,3345 8408,3346 9943,3346 6924,3347 3902,3348
  other v3: 602.62,440.5
NetC2_1: C2.1 U1.42 | length 88.8
  Bottom Layer w5: C2.1@6494,813.04 C2.1@6494.49,812.55
  Bottom Layer w15: U1.42@6494.49,724.41 C2.1@6494.49,812.55
NetC3_1: C3.1 R1.1 U1.3 | length 172.1
  Bottom Layer w5: U1.3@6624.41,594.49 C3.1@6750.46,594.49 ; C3.1@6754.15,594.19 6797.06,594.19 R1.1@6799.25,592
NetC4_2: C4.2 R2.1 U1.4 | length 187
  Bottom Layer w5: U1.4@6624.41,562.99 6727.15,562.99 6754,536.14 C4.2@6754,535.35 6798.61,535.35 R2.1@6799.25,536
NetC5_2: C5.2 U1.17 XTAL.1 | length 234.6
  Bottom Layer w5: C5.2@6312,115.32 6374.55,115.32 XTAL.1@6376.69,117.46 6378.88,117.46 6400,138.59 U1.17@6400,275.59
NetC6_2: C6.2 U1.16 XTAL.3 | length 316.1
  Bottom Layer w5: U1.16@6431.5,275.59 6431.5,216.28 6420.39,205.17 6420.39,83.61 6432.49,71.51 6442.33,71.51 XTAL.3@6463.31,50.54 6525.46,50.54 C6.2@6526,50
NetC13_2: C13.2 R3.2 RST1.1 U1.13 | length 260
  Bottom Layer w5: U1.13@6525.98,275.59 6525.98,225.46 6536.04,215.41 6568.49,215.41 6578.72,205.18 R3.2@6578.72,180 ; C13.2@6580.28,135.24 C13.2@6580,134.96 6578.72,136.24 R3.2@6578.72,180 ; RST1.1@6648,160 6628,180 R3.2@6578.72,180
NetD_0_1: D_0.1 MX_0.2 | length 130.3
  Bottom Layer w5: MX_0.2@8211.3,3811.31 8233.62,3811.31 8261.48,3783.46 D_0.1@8330.02,3783.46
NetD_0_2: D_0.2 D_1.2 D_2.2 D_3.2 D_4.2 D_5.2 D_6.2 D_7.2 D_8.2 D_9.2 D_-.2 D_=.2 D_BKSP.2 D_Esc.2 D_Home.2 D_Ins.2 D_PgUp.2 U1.29 | length 17467.7
  Top Layer w5: v2(4737.63,3866.51) 4737.63,3460.12 5075.01,3122.74 v2(5075.01,2784.29) ; v2(5126,2461) 5240,2347 5240,1840 5685.91,1394.09 v2(5685.91,1308.22)
  Bottom Layer w5: D_Esc.2@830,3866.54 1331.39,3866.54 ; 1330.94,3866.08 1331.39,3866.54 ; 1331.83,3866.54 1331.39,3866.54 ; D_1.2@1579.14,3866.05 1578.15,3866.05 1541.17,3903.03 1367.89,3903.03 1331.39,3866.54 ; D_1.2@1580.03,3866.51 2081.86,3866.51 2118.81,3903.47 2292.09,3903.47 2329.07,3866.49 2830.9,3866.49 2867.86,3903.44 3041.14,3903.44 3078.12,3866.46 3579.95,3866.46 3616.9,3903.42 3790.18,3903.42 D_4.2@3827.16,3866.44 ; D_4.2@3830.03,3866.51 4331.86,3866.51 4368.81,3903.47 4542.09,3903.47 D_5.2@4579.07,3866.49 ; D_5.2@4579.96,3866.51 4580.95,3866.51 v2(4737.63,3866.51) 5081.79,3866.51 5118.75,3903.47 5292.03,3903.47 5329.01,3866.49 5830.84,3866.49 5867.79,3903.44 6041.07,3903.44 D_7.2@6078.05,3866.46 ; v2(5075.01,2784.29) 5075.01,2511.99 v2(5126,2461) ; v2(5685.91,1308.22) 5685.91,778.11 5932.53,531.5 U1.29@6175.59,531.5 ; D_7.2@6080.04,3866.51 6581.87,3866.51 6618.83,3903.47 6792.11,3903.47 D_8.2@6829.09,3866.49 ; D_8.2@6830.04,3866.51 7331.87,3866.51 7368.83,3903.47 7542.11,3903.47 D_9.2@7579.09,3866.49 ; D_9.2@7580.02,3866.54 8081.87,3866.51 8118.83,3903.47 8292.11,3903.47 8329.09,3866.49 8830.91,3866.49 8867.87,3903.44 9041.15,3903.44 D_-.2@9078.13,3866.46 ; D_-.2@9080.02,3866.54 9581.87,3866.51 9618.83,3903.47 9792.11,3903.47 D_=.2@9829.09,3866.49 ; D_=.2@9830.02,3866.54 10086.87,3866.51 10191.62,3761.76 10345.16,3761.76 10479.02,3895.62 10924.95,3895.62 10954.06,3866.51 11019.94,3866.51 11124.69,3761.76 11301.86,3761.76 11400.28,3860.18 11829.41,3860.18 11872.72,3903.49 12042.08,3903.49 12079.06,3866.51 12581.87,3866.51 12618.83,3903.47 12792.11,3903.47 12829.09,3866.49 13330.91,3866.49 13367.87,3903.44 13541.15,3903.44 D_PgUp.2@13578.13,3866.46
NetD_1_1: D_1.1 MX_1.2 | length 130.3
  Bottom Layer w5: MX_1.2@1461.21,3811.31 1483.53,3811.31 1511.39,3783.46 D_1.1@1579.93,3783.46
NetD_2_1: D_2.1 MX_2.2 | length 130.3
  Bottom Layer w5: MX_2.2@2211.21,3811.31 2233.53,3811.31 2261.39,3783.46 D_2.1@2329.93,3783.46
NetD_3_1: D_3.1 MX_3.2 | length 130.3
  Bottom Layer w5: MX_3.2@2961.21,3811.31 2983.53,3811.31 3011.39,3783.46 D_3.1@3079.93,3783.46
NetD_4_1: D_4.1 MX_4.2 | length 130.3
  Bottom Layer w5: MX_4.2@3711.14,3811.31 3733.47,3811.31 3761.32,3783.46 D_4.1@3829.86,3783.46
NetD_5_1: D_5.1 MX_5.2 | length 130.3
  Bottom Layer w5: MX_5.2@4461.22,3811.31 4483.55,3811.31 4511.4,3783.46 D_5.1@4579.94,3783.46
NetD_6_1: D_6.1 MX_6.2 | length 130.3
  Bottom Layer w5: MX_6.2@5211.3,3811.31 5233.62,3811.31 5261.48,3783.46 D_6.1@5330.02,3783.46
NetD_7_1: D_7.1 MX_7.2 | length 130.3
  Bottom Layer w5: MX_7.2@5961.22,3811.31 5983.55,3811.31 6011.4,3783.46 D_7.1@6079.94,3783.46
NetD_8_1: D_8.1 MX_8.2 | length 130.3
  Bottom Layer w5: MX_8.2@6711.22,3811.31 6733.55,3811.31 6761.4,3783.46 D_8.1@6829.94,3783.46
NetD_9_1: D_9.1 MX_9.2 | length 130.3
  Bottom Layer w5: MX_9.2@7461.3,3811.31 7483.62,3811.31 7511.48,3783.46 D_9.1@7580.02,3783.46
"NetD_\"_1": "D_\".1" "MX_\".2" | length 130.3
  Bottom Layer w5: 9523.74,2311.26 9546.07,2311.26 9573.92,2283.41 9642.46,2283.41
"NetD_\"_2": "D_\".2" D_;.2 D_A.2 D_Caps.2 D_D.2 D_Enter.2 D_F.2 D_G.2 D_H.2 D_J.2 D_K.2 D_L.2 D_S.2 D_SK1.2 D_SK2.2 D_SK3.2 U1.31 | length 15238.6
  Top Layer w5: v2(5312,2363) 5312,1891.27 5772.45,1430.82 v2(5772.45,1306.49)
  Bottom Layer w5: D_Caps.2@1112,2363.74 1931.92,2363.74 1967.43,2399.26 2109.67,2399.26 D_A.2@2142.45,2366.48 ; D_A.2@2138.44,2364 2681.92,2364 ; 2681.92,2363.74 2717.43,2399.26 2859.67,2399.26 2894.67,2364.26 3432.44,2364.26 3467.43,2399.26 3609.67,2399.26 D_D.2@3642.45,2366.48 ; D_D.2@3645.2,2363.74 4181.92,2363.74 4217.44,2399.26 4359.68,2399.26 D_F.2@4392.46,2366.48 ; D_F.2@4395.2,2363.74 4931.92,2363.74 4967.44,2399.26 5109.68,2399.26 D_G.2@5142.46,2366.48 ; D_G.2@5145.2,2363.74 5145.94,2363 v2(5312,2363) 5681.19,2363 5717.44,2399.26 5859.68,2399.26 D_H.2@5892.46,2366.48 ; v2(5772.45,1306.49) 5772.05,1306.1 5772.05,787.95 5965.51,594.49 U1.31@6175.59,594.49 ; D_H.2@5895.2,2363.74 6431.92,2363.74 6467.44,2399.26 6609.68,2399.26 D_J.2@6642.46,2366.48 ; D_J.2@6645.2,2363.74 7181.92,2363.74 7217.44,2399.26 7359.68,2399.26 D_K.2@7392.46,2366.48 ; D_K.2@7395.2,2363.74 7931.92,2363.74 7967.44,2399.26 8109.68,2399.26 D_L.2@8142.46,2366.48 ; D_L.2@8145.2,2363.74 8681.92,2363.74 8717.44,2399.26 8859.68,2399.26 8892.46,2366.48 ; 8895.2,2363.74 9431.92,2363.74 9467.44,2399.26 9609.68,2399.26 9642.46,2366.48 ; 9647,2363.74 10032.26,2363.74 10115.65,2280.35 10228.35,2280.35 10311.74,2363.74 10650.66,2363.74 10686.18,2399.26 10828.42,2399.26 D_Enter.2@10861.2,2366.48 ; D_Enter.2@10867,2363.74 10987.26,2363.74 11059.78,2291.22 11158.88,2291.22 11231.4,2363.74 11869.48,2363.74 11905,2399.26 12047.24,2399.26 D_SK1.2@12080.02,2366.48 ; D_SK1.2@12082.76,2363.74 12619.48,2363.74 12655,2399.26 12797.24,2399.26 D_SK2.2@12830.02,2366.48 ; D_SK2.2@12832.76,2363.74 13369.48,2363.74 13405,2399.26 13547.24,2399.26 D_SK3.2@13580.02,2366.48
NetD_,_1: D_,.1 MX_,.2 | length 130.3
  Bottom Layer w5: 7648.74,1561.26 7671.07,1561.26 7698.92,1533.41 7767.46,1533.41
NetD_,_2: D_,.2 D_..2 D_/.2 D_B.2 D_C.2 D_LShift.2 D_M.2 D_N.2 D_RShift.2 D_SK4.2 D_SK5.2 D_Up.2 D_V.2 D_X.2 D_Z.2 U1.32 | length 14208.5
  Bottom Layer w5: D_LShift.2@1300,1611.25 1407.34,1611.25 1408.8,1609.79 cw(c1405.27,1606.25) 1408.92,1609.67 1489.01,1525.16 ccw(c1492.66,1528.58) 1489.13,1525.04 1490.59,1523.58 1609.58,1523.58 1699.74,1613.74 2306.92,1613.74 2342.43,1649.26 2484.67,1649.26 D_Z.2@2517.45,1616.48 ; D_Z.2@2520.2,1613.74 3056.92,1613.74 3092.44,1649.26 3234.68,1649.26 D_X.2@3267.46,1616.48 ; D_X.2@3270.2,1613.74 3806.92,1613.74 3842.44,1649.26 3984.68,1649.26 D_C.2@4017.46,1616.48 ; D_C.2@4020.2,1613.74 4556.92,1613.74 4592.44,1649.26 4734.68,1649.26 D_V.2@4767.46,1616.48 ; D_V.2@4770.2,1613.74 5306.92,1613.74 5342.44,1649.26 5484.68,1649.26 D_B.2@5517.46,1616.48 ; D_B.2@5516.5,1616.13 5516.5,1613.37 5810.61,1319.26 5810.61,799.38 5984.01,625.98 U1.32@6175.59,625.98 ; D_B.2@5520.2,1613.74 6056.92,1613.74 6092.44,1649.26 6234.68,1649.26 D_N.2@6267.46,1616.48 ; D_N.2@6270.2,1613.74 6806.92,1613.74 6842.44,1649.26 6984.68,1649.26 D_M.2@7017.46,1616.48 ; D_M.2@7020.2,1613.74 7556.92,1613.74 7592.44,1649.26 7734.68,1649.26 7767.46,1616.48 ; 7770.2,1613.74 8306.92,1613.74 8342.44,1649.26 8484.68,1649.26 D_..2@8517.46,1616.48 ; D_..2@8520.2,1613.74 9056.92,1613.74 9092.44,1649.26 9234.68,1649.26 D_/.2@9267.46,1616.48 ; D_/.2@9273,1613.74 9858.25,1613.74 9931.84,1540.14 10038.14,1540.14 10111.74,1613.74 10463.18,1613.74 10498.7,1649.26 10640.94,1649.26 D_RShift.2@10673.72,1616.48 ; D_RShift.2@10679,1613.74 10797.97,1613.74 10873.02,1538.69 10974.93,1538.69 11049.98,1613.74 11869.48,1613.74 11905,1649.26 12047.24,1649.26 D_SK4.2@12080.02,1616.48 ; D_SK4.2@12082.76,1613.74 12619.48,1613.74 12655,1649.26 12797.24,1649.26 D_Up.2@12830.02,1616.48 ; D_Up.2@12832.76,1613.74 13369.48,1613.74 13405,1649.26 13547.24,1649.26 D_SK5.2@13580.02,1616.48
NetD_-_1: D_-.1 MX_-.2 | length 130.3
  Bottom Layer w5: MX_-.2@8961.3,3811.31 8983.62,3811.31 9011.48,3783.46 D_-.1@9080.02,3783.46
NetD_._1: D_..1 MX_..2 | length 130.3
  Bottom Layer w5: MX_..2@8398.74,1561.26 8421.07,1561.26 8448.92,1533.41 D_..1@8517.46,1533.41
NetD_/_1: D_/.1 MX_/.2 | length 130.3
  Bottom Layer w5: MX_/.2@9148.74,1561.26 9171.07,1561.26 9198.92,1533.41 D_/.1@9267.46,1533.41
NetD_;_1: D_;.1 MX_;.2 | length 130.3
  Bottom Layer w5: 8773.74,2311.26 8796.07,2311.26 8823.92,2283.41 8892.46,2283.41
NetD_=_1: D_=.1 MX_=.2 | length 130.3
  Bottom Layer w5: MX_=.2@9711.3,3811.31 9733.62,3811.31 9761.48,3783.46 D_=.1@9830.02,3783.46
NetD_[_1: D_[.1 MX_[.2 | length 130.3
  Bottom Layer w5: MX_[.2@9336.3,3061.26 9358.62,3061.26 9386.48,3033.41 D_[.1@9455.02,3033.41